# KiCad board first_keyboard.kicad_pcb (continued)
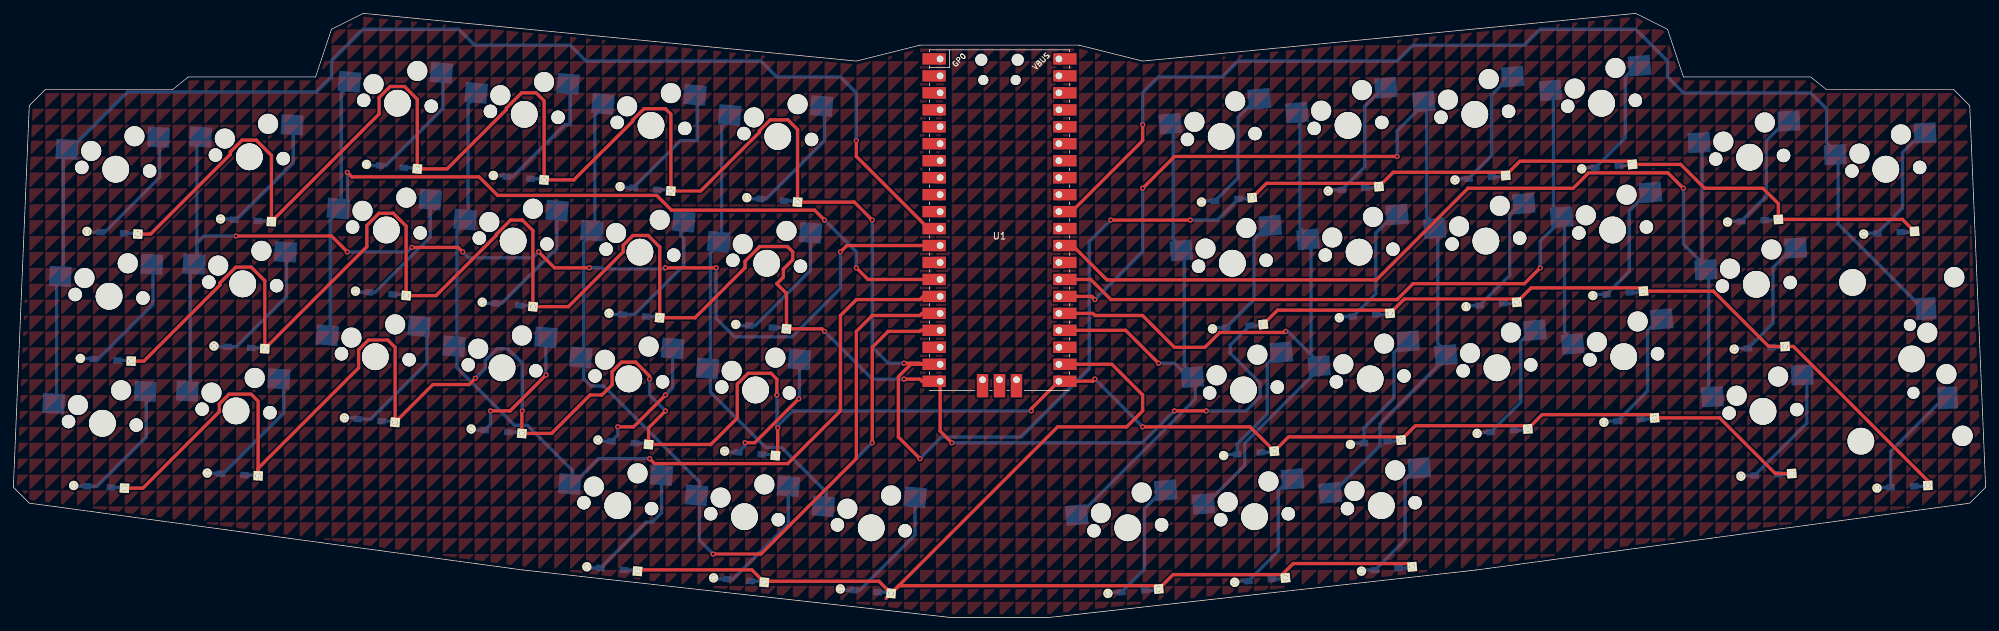
[diagram p0: board, top side]
## Copper pours and planes (outline as drawn; the poured copper is in the pictures) (continued)
(no net) on Top, Bottom: 95.25,45.24 95.25,42.86 97.63,45.24
(no net) on Top, Bottom: 219.07,-7.14 219.07,-9.53 221.46,-7.14
(no net) on Top, Bottom: 183.36,123.83 183.36,121.44 185.74,123.83
(no net) on Top, Bottom: 211.93,140.49 211.93,138.11 214.31,140.49
(no net) on Top, Bottom: 38.1,-23.81 38.1,-26.19 40.48,-23.81
(no net) on Top, Bottom: 66.67,85.72 66.67,83.34 69.06,85.72
(no net) on Top, Bottom: 123.83,42.86 123.83,40.48 126.21,42.86
(no net) on Top, Bottom: 111.92,126.21 111.92,123.83 114.3,126.21
(no net) on Top, Bottom: 59.53,64.29 59.53,61.91 61.91,64.29
(no net) on Top, Bottom: 102.39,107.16 102.39,104.78 104.77,107.16
(no net) on Top, Bottom: 219.07,38.1 219.07,35.72 221.46,38.1
(no net) on Top, Bottom: 190.5,88.11 190.5,85.72 192.88,88.11
(no net) on Top, Bottom: 61.91,-30.96 61.91,-33.34 64.29,-30.96
(no net) on Top, Bottom: 80.96,97.63 80.96,95.25 83.34,97.63
(no net) on Top, Bottom: 252.41,97.63 252.41,95.25 254.79,97.63
(no net) on Top, Bottom: 28.58,11.91 28.58,9.53 30.96,11.91
(no net) on Top, Bottom: 240.51,16.67 240.51,14.29 242.89,16.67
(no net) on Top, Bottom: 271.46,133.35 271.46,130.97 273.84,133.35
(no net) on Top, Bottom: 111.92,64.29 111.92,61.91 114.3,64.29
(no net) on Top, Bottom: 121.44,59.53 121.44,57.15 123.83,59.53
(no net) on Top, Bottom: 233.36,-23.81 233.36,-26.19 235.74,-23.81
(no net) on Top, Bottom: 304.8,130.97 304.8,128.59 307.18,130.97
(no net) on Top, Bottom: 197.64,71.44 197.64,69.06 200.02,71.44
(no net) on Top, Bottom: 154.78,21.43 154.78,19.05 157.16,21.43
(no net) on Top, Bottom: 209.55,19.05 209.55,16.67 211.93,19.05
(no net) on Top, Bottom: 64.29,104.78 64.29,102.39 66.67,104.78
(no net) on Top, Bottom: 71.44,9.53 71.44,7.14 73.82,9.53
(no net) on Top, Bottom: 240.51,142.88 240.51,140.49 242.89,142.88
(no net) on Top, Bottom: 245.27,4.76 245.27,2.38 247.65,4.76
(no net) on Top, Bottom: 176.21,76.2 176.21,73.82 178.59,76.2
(no net) on Top, Bottom: 133.35,64.29 133.35,61.91 135.73,64.29
(no net) on Top, Bottom: 230.98,26.19 230.98,23.81 233.36,26.19
(no net) on Top, Bottom: 273.84,119.06 273.84,116.68 276.22,119.06
(no net) on Top, Bottom: 173.83,-9.53 173.83,-11.91 176.21,-9.53
(no net) on Top, Bottom: 83.34,50.01 83.34,47.62 85.73,50.01
(no net) on Top, Bottom: 207.17,-2.38 207.17,-4.76 209.55,-2.38
(no net) on Top, Bottom: 71.44,80.96 71.44,78.58 73.82,80.96
(no net) on Top, Bottom: 95.25,71.44 95.25,69.06 97.63,71.44
(no net) on Top, Bottom: 19.05,-16.67 19.05,-19.05 21.43,-16.67
(no net) on Top, Bottom: 188.12,69.06 188.12,66.68 190.5,69.06
(no net) on Top, Bottom: 290.51,7.14 290.51,4.76 292.89,7.14
(no net) on Top, Bottom: 226.22,26.19 226.22,23.81 228.6,26.19
(no net) on Top, Bottom: 216.69,104.78 216.69,102.39 219.07,104.78
(no net) on Top, Bottom: 302.42,130.97 302.42,128.59 304.8,130.97
(no net) on Top, Bottom: 97.63,145.26 97.63,142.88 100.01,145.26
(no net) on Top, Bottom: 230.98,140.49 230.98,138.11 233.36,140.49
(no net) on Top, Bottom: 140.49,147.64 140.49,145.26 142.88,147.64
(no net) on Top, Bottom: 71.44,76.2 71.44,73.82 73.82,76.2
(no net) on Top, Bottom: 107.16,123.83 107.16,121.44 109.54,123.83
(no net) on Top, Bottom: 247.65,85.72 247.65,83.34 250.03,85.72
(no net) on Top, Bottom: 176.21,28.57 176.21,26.19 178.59,28.57
(no net) on Top, Bottom: 300.04,-16.67 300.04,-19.05 302.42,-16.67
(no net) on Top, Bottom: 126.21,126.21 126.21,123.83 128.59,126.21
(no net) on Top, Bottom: 211.93,21.43 211.93,19.05 214.31,21.43
(no net) on Top, Bottom: 190.5,47.62 190.5,45.24 192.88,47.62
(no net) on Top, Bottom: 80.96,90.49 80.96,88.11 83.34,90.49
(no net) on Top, Bottom: 142.88,88.11 142.88,85.72 145.26,88.11
(no net) on Top, Bottom: 73.82,73.82 73.82,71.44 76.2,73.82
(no net) on Top, Bottom: 173.83,2.38 173.83,0 176.21,2.38
(no net) on Top, Bottom: 257.18,-16.67 257.18,-19.05 259.56,-16.67
(no net) on Top, Bottom: 226.22,92.87 226.22,90.49 228.6,92.87
(no net) on Top, Bottom: 102.39,-19.05 102.39,-21.43 104.77,-19.05
(no net) on Top, Bottom: 300.04,50.01 300.04,47.62 302.42,50.01
(no net) on Top, Bottom: 216.69,97.63 216.69,95.25 219.07,97.63
(no net) on Top, Bottom: 183.36,-19.05 183.36,-21.43 185.74,-19.05
(no net) on Top, Bottom: 128.59,85.72 128.59,83.34 130.97,85.72
(no net) on Top, Bottom: 183.36,-33.34 183.36,-35.72 185.74,-33.34
(no net) on Top, Bottom: 21.43,-30.96 21.43,-33.34 23.81,-30.96
(no net) on Top, Bottom: 71.44,95.25 71.44,92.87 73.82,95.25
(no net) on Top, Bottom: 188.12,76.2 188.12,73.82 190.5,76.2
(no net) on Top, Bottom: 16.67,90.49 16.67,88.11 19.05,90.49
(no net) on Top, Bottom: 147.64,-23.81 147.64,-26.19 150.02,-23.81
(no net) on Top, Bottom: 50.01,-2.38 50.01,-4.76 52.39,-2.38
(no net) on Top, Bottom: 242.89,147.64 242.89,145.26 245.27,147.64
(no net) on Top, Bottom: 300.04,11.91 300.04,9.53 302.42,11.91
(no net) on Top, Bottom: 104.77,64.29 104.77,61.91 107.16,64.29
(no net) on Top, Bottom: 47.62,52.39 47.62,50.01 50.01,52.39
(no net) on Top, Bottom: 171.45,45.24 171.45,42.86 173.83,45.24
(no net) on Top, Bottom: 166.69,100.01 166.69,97.63 169.07,100.01
(no net) on Top, Bottom: 169.07,-11.91 169.07,-14.29 171.45,-11.91
(no net) on Top, Bottom: 78.58,47.62 78.58,45.24 80.96,47.62
(no net) on Top, Bottom: 88.11,33.34 88.11,30.96 90.49,33.34
(no net) on Top, Bottom: 250.03,57.15 250.03,54.77 252.41,57.15
(no net) on Top, Bottom: 214.31,80.96 214.31,78.58 216.69,80.96
(no net) on Top, Bottom: 278.61,145.26 278.61,142.88 280.99,145.26
(no net) on Top, Bottom: 40.48,57.15 40.48,54.77 42.86,57.15
(no net) on Top, Bottom: 302.42,142.88 302.42,140.49 304.8,142.88
(no net) on Top, Bottom: 111.92,35.72 111.92,33.34 114.3,35.72
(no net) on Top, Bottom: 247.65,150.02 247.65,147.64 250.03,150.02
(no net) on Top, Bottom: 207.17,142.88 207.17,140.49 209.55,142.88
(no net) on Top, Bottom: 23.81,-7.14 23.81,-9.53 26.19,-7.14
(no net) on Top, Bottom: 145.26,88.11 145.26,85.72 147.64,88.11
(no net) on Top, Bottom: 228.6,90.49 228.6,88.11 230.98,90.49
(no net) on Top, Bottom: 178.59,-9.53 178.59,-11.91 180.98,-9.53
(no net) on Top, Bottom: 28.58,35.72 28.58,33.34 30.96,35.72
(no net) on Top, Bottom: 180.98,-9.53 180.98,-11.91 183.36,-9.53
(no net) on Top, Bottom: 130.97,104.78 130.97,102.39 133.35,104.78
(no net) on Top, Bottom: 283.37,130.97 283.37,128.59 285.75,130.97
(no net) on Top, Bottom: 292.89,-21.43 292.89,-23.81 295.27,-21.43
(no net) on Top, Bottom: 95.25,104.78 95.25,102.39 97.63,104.78
(no net) on Top, Bottom: 104.77,21.43 104.77,19.05 107.16,21.43
(no net) on Top, Bottom: 142.88,97.63 142.88,95.25 145.26,97.63
(no net) on Top, Bottom: 50.01,-14.29 50.01,-16.67 52.39,-14.29
(no net) on Top, Bottom: 200.02,95.25 200.02,92.87 202.41,95.25
(no net) on Top, Bottom: 197.64,64.29 197.64,61.91 200.02,64.29
(no net) on Top, Bottom: 114.3,59.53 114.3,57.15 116.68,59.53
(no net) on Top, Bottom: 180.98,-35.72 180.98,-38.1 183.36,-35.72
(no net) on Top, Bottom: 257.18,109.54 257.18,107.16 259.56,109.54
(no net) on Top, Bottom: 288.13,100.01 288.13,97.63 290.51,100.01
(no net) on Top, Bottom: 223.84,-7.14 223.84,-9.53 226.22,-7.14
(no net) on Top, Bottom: 83.34,14.29 83.34,11.91 85.73,14.29
(no net) on Top, Bottom: 211.93,30.96 211.93,28.57 214.31,30.96
(no net) on Top, Bottom: 80.96,30.96 80.96,28.57 83.34,30.96
(no net) on Top, Bottom: 35.72,85.72 35.72,83.34 38.1,85.72
(no net) on Top, Bottom: 26.19,4.76 26.19,2.38 28.58,4.76
(no net) on Top, Bottom: 154.78,97.63 154.78,95.25 157.16,97.63
(no net) on Top, Bottom: 30.96,33.34 30.96,30.96 33.34,33.34
(no net) on Top, Bottom: 16.67,-14.29 16.67,-16.67 19.05,-14.29
(no net) on Top, Bottom: 116.68,-38.1 116.68,-40.48 119.06,-38.1
(no net) on Top, Bottom: 47.62,138.11 47.62,135.73 50.01,138.11
(no net) on Top, Bottom: 92.87,104.78 92.87,102.39 95.25,104.78
(no net) on Top, Bottom: 211.93,-19.05 211.93,-21.43 214.31,-19.05
(no net) on Top, Bottom: 30.96,57.15 30.96,54.77 33.34,57.15
(no net) on Top, Bottom: 221.46,83.34 221.46,80.96 223.84,83.34
(no net) on Top, Bottom: 188.12,33.34 188.12,30.96 190.5,33.34
(no net) on Top, Bottom: 66.67,23.81 66.67,21.43 69.06,23.81
(no net) on Top, Bottom: 111.92,33.34 111.92,30.96 114.3,33.34
(no net) on Top, Bottom: 92.87,142.88 92.87,140.49 95.25,142.88
(no net) on Top, Bottom: 195.26,57.15 195.26,54.77 197.64,57.15
(no net) on Top, Bottom: 228.6,57.15 228.6,54.77 230.98,57.15
(no net) on Top, Bottom: 228.6,14.29 228.6,11.91 230.98,14.29
(no net) on Top, Bottom: 92.87,71.44 92.87,69.06 95.25,71.44
(no net) on Top, Bottom: 83.34,64.29 83.34,61.91 85.73,64.29
(no net) on Top, Bottom: 292.89,102.39 292.89,100.01 295.27,102.39
(no net) on Top, Bottom: 300.04,9.53 300.04,7.14 302.42,9.53
(no net) on Top, Bottom: 176.21,97.63 176.21,95.25 178.59,97.63
(no net) on Top, Bottom: 219.07,-19.05 219.07,-21.43 221.46,-19.05
(no net) on Top, Bottom: 176.21,26.19 176.21,23.81 178.59,26.19
(no net) on Top, Bottom: 42.86,-14.29 42.86,-16.67 45.24,-14.29
(no net) on Top, Bottom: 200.02,73.82 200.02,71.44 202.41,73.82
(no net) on Top, Bottom: 164.31,133.35 164.31,130.97 166.69,133.35
(no net) on Top, Bottom: 69.06,126.21 69.06,123.83 71.44,126.21
(no net) on Top, Bottom: 169.07,145.26 169.07,142.88 171.45,145.26
(no net) on Top, Bottom: 188.12,54.77 188.12,52.39 190.5,54.77
(no net) on Top, Bottom: 278.61,-16.67 278.61,-19.05 280.99,-16.67
(no net) on Top, Bottom: 228.6,95.25 228.6,92.87 230.98,95.25
(no net) on Top, Bottom: 140.49,111.92 140.49,109.54 142.88,111.92
(no net) on Top, Bottom: 88.11,76.2 88.11,73.82 90.49,76.2
(no net) on Top, Bottom: 252.41,23.81 252.41,21.43 254.79,23.81
(no net) on Top, Bottom: 171.45,145.26 171.45,142.88 173.83,145.26
(no net) on Top, Bottom: 228.6,-11.91 228.6,-14.29 230.98,-11.91
(no net) on Top, Bottom: 28.58,-7.14 28.58,-9.53 30.96,-7.14
(no net) on Top, Bottom: 302.42,114.3 302.42,111.92 304.8,114.3
(no net) on Top, Bottom: 280.99,-23.81 280.99,-26.19 283.37,-23.81
(no net) on Top, Bottom: 273.84,-2.38 273.84,-4.76 276.22,-2.38
(no net) on Top, Bottom: 214.31,88.11 214.31,85.72 216.69,88.11
(no net) on Top, Bottom: 52.39,85.72 52.39,83.34 54.77,85.72
(no net) on Top, Bottom: 259.56,73.82 259.56,71.44 261.94,73.82
(no net) on Top, Bottom: 252.41,133.35 252.41,130.97 254.79,133.35
(no net) on Top, Bottom: 102.39,45.24 102.39,42.86 104.77,45.24
(no net) on Top, Bottom: 173.83,28.57 173.83,26.19 176.21,28.57
(no net) on Top, Bottom: 185.74,-4.76 185.74,-7.14 188.12,-4.76
(no net) on Top, Bottom: 252.41,57.15 252.41,54.77 254.79,57.15
(no net) on Top, Bottom: 250.03,-21.43 250.03,-23.81 252.41,-21.43
(no net) on Top, Bottom: 114.3,-9.53 114.3,-11.91 116.68,-9.53
(no net) on Top, Bottom: 264.32,16.67 264.32,14.29 266.7,16.67
(no net) on Top, Bottom: 276.22,109.54 276.22,107.16 278.61,109.54
(no net) on Top, Bottom: 28.58,7.14 28.58,4.76 30.96,7.14
(no net) on Top, Bottom: 185.74,45.24 185.74,42.86 188.12,45.24
(no net) on Top, Bottom: 228.6,11.91 228.6,9.53 230.98,11.91
(no net) on Top, Bottom: 66.67,80.96 66.67,78.58 69.06,80.96
(no net) on Top, Bottom: 92.87,-23.81 92.87,-26.19 95.25,-23.81
(no net) on Top, Bottom: 95.25,-16.67 95.25,-19.05 97.63,-16.67
(no net) on Top, Bottom: 126.21,64.29 126.21,61.91 128.59,64.29
(no net) on Top, Bottom: 78.58,123.83 78.58,121.44 80.96,123.83
(no net) on Top, Bottom: 188.12,2.38 188.12,0 190.5,2.38
(no net) on Top, Bottom: 173.83,121.44 173.83,119.06 176.21,121.44
(no net) on Top, Bottom: 21.43,35.72 21.43,33.34 23.81,35.72
(no net) on Top, Bottom: 97.63,-2.38 97.63,-4.76 100.01,-2.38
(no net) on Top, Bottom: 192.88,73.82 192.88,71.44 195.26,73.82
(no net) on Top, Bottom: 28.58,80.96 28.58,78.58 30.96,80.96
(no net) on Top, Bottom: 64.29,133.35 64.29,130.97 66.67,133.35
(no net) on Top, Bottom: 285.75,100.01 285.75,97.63 288.13,100.01
(no net) on Top, Bottom: 164.31,-35.72 164.31,-38.1 166.69,-35.72
(no net) on Top, Bottom: 4.76,-21.43 4.76,-23.81 7.14,-21.43
(no net) on Top, Bottom: 178.59,-4.76 178.59,-7.14 180.98,-4.76
(no net) on Top, Bottom: 238.12,107.16 238.12,104.78 240.51,107.16
(no net) on Top, Bottom: 188.12,95.25 188.12,92.87 190.5,95.25
(no net) on Top, Bottom: 295.27,109.54 295.27,107.16 297.66,109.54
(no net) on Top, Bottom: 80.96,114.3 80.96,111.92 83.34,114.3
(no net) on Top, Bottom: 59.53,71.44 59.53,69.06 61.91,71.44
(no net) on Top, Bottom: 280.99,135.73 280.99,133.35 283.37,135.73
(no net) on Top, Bottom: 154.78,42.86 154.78,40.48 157.16,42.86
(no net) on Top, Bottom: 278.61,69.06 278.61,66.68 280.99,69.06
(no net) on Top, Bottom: 80.96,-26.19 80.96,-28.57 83.34,-26.19
(no net) on Top, Bottom: 283.37,7.14 283.37,4.76 285.75,7.14
(no net) on Top, Bottom: 26.19,0 26.19,-2.38 28.58,0
(no net) on Top, Bottom: 16.67,104.78 16.67,102.39 19.05,104.78
(no net) on Top, Bottom: 221.46,-38.1 221.46,-40.48 223.84,-38.1
(no net) on Top, Bottom: 302.42,111.92 302.42,109.54 304.8,111.92
(no net) on Top, Bottom: 147.64,0 147.64,-2.38 150.02,0
(no net) on Top, Bottom: 23.81,95.25 23.81,92.87 26.19,95.25
(no net) on Top, Bottom: 230.98,23.81 230.98,21.43 233.36,23.81
(no net) on Top, Bottom: 204.79,121.44 204.79,119.06 207.17,121.44
(no net) on Top, Bottom: 269.08,142.88 269.08,140.49 271.46,142.88
(no net) on Top, Bottom: 45.24,-14.29 45.24,-16.67 47.62,-14.29
(no net) on Top, Bottom: 247.65,-11.91 247.65,-14.29 250.03,-11.91
(no net) on Top, Bottom: 285.75,104.78 285.75,102.39 288.13,104.78
(no net) on Top, Bottom: 257.18,83.34 257.18,80.96 259.56,83.34
(no net) on Top, Bottom: 95.25,138.11 95.25,135.73 97.63,138.11
(no net) on Top, Bottom: 259.56,88.11 259.56,85.72 261.94,88.11
(no net) on Top, Bottom: 111.92,66.68 111.92,64.29 114.3,66.68
(no net) on Top, Bottom: 19.05,11.91 19.05,9.53 21.43,11.91
(no net) on Top, Bottom: 95.25,9.53 95.25,7.14 97.63,9.53
(no net) on Top, Bottom: 164.31,95.25 164.31,92.87 166.69,95.25
(no net) on Top, Bottom: 211.93,-7.14 211.93,-9.53 214.31,-7.14
(no net) on Top, Bottom: 42.86,138.11 42.86,135.73 45.24,138.11
(no net) on Top, Bottom: 147.64,28.57 147.64,26.19 150.02,28.57
(no net) on Top, Bottom: 195.26,-21.43 195.26,-23.81 197.64,-21.43
(no net) on Top, Bottom: 254.79,92.87 254.79,90.49 257.18,92.87
(no net) on Top, Bottom: 300.04,40.48 300.04,38.1 302.42,40.48
(no net) on Top, Bottom: 185.74,40.48 185.74,38.1 188.12,40.48
(no net) on Top, Bottom: 200.02,92.87 200.02,90.49 202.41,92.87
(no net) on Top, Bottom: 130.97,57.15 130.97,54.77 133.35,57.15
(no net) on Top, Bottom: 276.22,-21.43 276.22,-23.81 278.61,-21.43
(no net) on Top, Bottom: 304.8,-7.14 304.8,-9.53 307.18,-7.14
(no net) on Top, Bottom: 142.88,73.82 142.88,71.44 145.26,73.82
(no net) on Top, Bottom: 128.59,90.49 128.59,88.11 130.97,90.49
(no net) on Top, Bottom: 164.31,28.57 164.31,26.19 166.69,28.57
(no net) on Top, Bottom: 19.05,28.57 19.05,26.19 21.43,28.57
(no net) on Top, Bottom: 35.72,71.44 35.72,69.06 38.1,71.44
(no net) on Top, Bottom: 30.96,83.34 30.96,80.96 33.34,83.34
(no net) on Top, Bottom: 47.62,59.53 47.62,57.15 50.01,59.53
(no net) on Top, Bottom: 228.6,47.62 228.6,45.24 230.98,47.62
(no net) on Top, Bottom: 209.55,114.3 209.55,111.92 211.93,114.3
(no net) on Top, Bottom: 69.06,-21.43 69.06,-23.81 71.44,-21.43
(no net) on Top, Bottom: 228.6,78.58 228.6,76.2 230.98,78.58
(no net) on Top, Bottom: 254.79,45.24 254.79,42.86 257.18,45.24
(no net) on Top, Bottom: 30.96,47.62 30.96,45.24 33.34,47.62
(no net) on Top, Bottom: 223.84,128.59 223.84,126.21 226.22,128.59
(no net) on Top, Bottom: 130.97,76.2 130.97,73.82 133.35,76.2
(no net) on Top, Bottom: 138.11,107.16 138.11,104.78 140.49,107.16
(no net) on Top, Bottom: 54.77,16.67 54.77,14.29 57.15,16.67
(no net) on Top, Bottom: 111.92,107.16 111.92,104.78 114.3,107.16
(no net) on Top, Bottom: 161.93,4.76 161.93,2.38 164.31,4.76
(no net) on Top, Bottom: 147.64,92.87 147.64,90.49 150.02,92.87
(no net) on Top, Bottom: 154.78,111.92 154.78,109.54 157.16,111.92
(no net) on Top, Bottom: 302.42,-4.76 302.42,-7.14 304.8,-4.76
(no net) on Top, Bottom: 73.82,30.96 73.82,28.57 76.2,30.96
(no net) on Top, Bottom: 228.6,138.11 228.6,135.73 230.98,138.11
(no net) on Top, Bottom: 100.01,-23.81 100.01,-26.19 102.39,-23.81
(no net) on Top, Bottom: 250.03,59.53 250.03,57.15 252.41,59.53
(no net) on Top, Bottom: 254.79,-19.05 254.79,-21.43 257.18,-19.05
(no net) on Top, Bottom: 35.72,57.15 35.72,54.77 38.1,57.15
(no net) on Top, Bottom: 257.18,138.11 257.18,135.73 259.56,138.11
(no net) on Top, Bottom: 161.93,-38.1 161.93,-40.48 164.31,-38.1
(no net) on Top, Bottom: 109.54,64.29 109.54,61.91 111.92,64.29
(no net) on Top, Bottom: 85.73,-19.05 85.73,-21.43 88.11,-19.05
(no net) on Top, Bottom: 116.68,-35.72 116.68,-38.1 119.06,-35.72
(no net) on Top, Bottom: 240.51,54.77 240.51,52.39 242.89,54.77
(no net) on Top, Bottom: 302.42,-38.1 302.42,-40.48 304.8,-38.1
(no net) on Top, Bottom: 264.32,35.72 264.32,33.34 266.7,35.72
(no net) on Top, Bottom: 0,-30.96 0,-33.34 2.38,-30.96
(no net) on Top, Bottom: 216.69,76.2 216.69,73.82 219.07,76.2
(no net) on Top, Bottom: 80.96,-38.1 80.96,-40.48 83.34,-38.1
(no net) on Top, Bottom: 230.98,128.59 230.98,126.21 233.36,128.59
(no net) on Top, Bottom: 304.8,92.87 304.8,90.49 307.18,92.87
(no net) on Top, Bottom: 180.98,-28.57 180.98,-30.96 183.36,-28.57
(no net) on Top, Bottom: 180.98,145.26 180.98,142.88 183.36,145.26
(no net) on Top, Bottom: 97.63,104.78 97.63,102.39 100.01,104.78
(no net) on Top, Bottom: 183.36,116.68 183.36,114.3 185.74,116.68
(no net) on Top, Bottom: 290.51,133.35 290.51,130.97 292.89,133.35
(no net) on Top, Bottom: 38.1,109.54 38.1,107.16 40.48,109.54
(no net) on Top, Bottom: 188.12,109.54 188.12,107.16 190.5,109.54
(no net) on Top, Bottom: 100.01,50.01 100.01,47.62 102.39,50.01
(no net) on Top, Bottom: 61.91,-38.1 61.91,-40.48 64.29,-38.1
(no net) on Top, Bottom: 273.84,16.67 273.84,14.29 276.22,16.67
(no net) on Top, Bottom: 121.44,35.72 121.44,33.34 123.83,35.72
(no net) on Top, Bottom: 119.06,14.29 119.06,11.91 121.44,14.29
(no net) on Top, Bottom: 216.69,33.34 216.69,30.96 219.07,33.34
(no net) on Top, Bottom: 126.21,83.34 126.21,80.96 128.59,83.34
(no net) on Top, Bottom: 240.51,71.44 240.51,69.06 242.89,71.44
(no net) on Top, Bottom: 59.53,142.88 59.53,140.49 61.91,142.88
(no net) on Top, Bottom: 40.48,97.63 40.48,95.25 42.86,97.63
(no net) on Top, Bottom: 226.22,-21.43 226.22,-23.81 228.6,-21.43
(no net) on Top, Bottom: 88.11,21.43 88.11,19.05 90.49,21.43
(no net) on Top, Bottom: 73.82,104.78 73.82,102.39 76.2,104.78
(no net) on Top, Bottom: 252.41,-2.38 252.41,-4.76 254.79,-2.38
(no net) on Top, Bottom: 150.02,28.57 150.02,26.19 152.4,28.57
(no net) on Top, Bottom: 142.88,147.64 142.88,145.26 145.26,147.64
(no net) on Top, Bottom: 221.46,78.58 221.46,76.2 223.84,78.58
(no net) on Top, Bottom: 195.26,78.58 195.26,76.2 197.64,78.58
(no net) on Top, Bottom: 33.34,130.97 33.34,128.59 35.72,130.97
(no net) on Top, Bottom: 295.27,147.64 295.27,145.26 297.66,147.64
(no net) on Top, Bottom: 100.01,-28.57 100.01,-30.96 102.39,-28.57
(no net) on Top, Bottom: 245.27,-33.34 245.27,-35.72 247.65,-33.34
(no net) on Top, Bottom: 216.69,0 216.69,-2.38 219.07,0
(no net) on Top, Bottom: 221.46,135.73 221.46,133.35 223.84,135.73
(no net) on Top, Bottom: 290.51,95.25 290.51,92.87 292.89,95.25
(no net) on Top, Bottom: 83.34,142.88 83.34,140.49 85.73,142.88
(no net) on Top, Bottom: 47.62,-23.81 47.62,-26.19 50.01,-23.81
(no net) on Top, Bottom: 238.12,130.97 238.12,128.59 240.51,130.97
(no net) on Top, Bottom: 104.77,47.62 104.77,45.24 107.16,47.62
(no net) on Top, Bottom: 247.65,-7.14 247.65,-9.53 250.03,-7.14
(no net) on Top, Bottom: 240.51,-9.53 240.51,-11.91 242.89,-9.53
(no net) on Top, Bottom: 150.02,42.86 150.02,40.48 152.4,42.86
(no net) on Top, Bottom: 233.36,45.24 233.36,42.86 235.74,45.24
(no net) on Top, Bottom: 254.79,57.15 254.79,54.77 257.18,57.15
(no net) on Top, Bottom: 145.26,111.92 145.26,109.54 147.64,111.92
(no net) on Top, Bottom: 0,-9.53 0,-11.91 2.38,-9.53
(no net) on Top, Bottom: 304.8,61.91 304.8,59.53 307.18,61.91
(no net) on Top, Bottom: 176.21,83.34 176.21,80.96 178.59,83.34
(no net) on Top, Bottom: 30.96,-14.29 30.96,-16.67 33.34,-14.29
(no net) on Top, Bottom: 154.78,0 154.78,-2.38 157.16,0
(no net) on Top, Bottom: 300.04,150.02 300.04,147.64 302.42,150.02
(no net) on Top, Bottom: 97.63,95.25 97.63,92.87 100.01,95.25
(no net) on Top, Bottom: 252.41,123.83 252.41,121.44 254.79,123.83
(no net) on Top, Bottom: 123.83,73.82 123.83,71.44 126.21,73.82
(no net) on Top, Bottom: 28.58,85.72 28.58,83.34 30.96,85.72
(no net) on Top, Bottom: 235.74,-14.29 235.74,-16.67 238.12,-14.29
(no net) on Top, Bottom: 97.63,100.01 97.63,97.63 100.01,100.01
(no net) on Top, Bottom: 150.02,2.38 150.02,0 152.4,2.38
(no net) on Top, Bottom: 26.19,119.06 26.19,116.68 28.58,119.06
(no net) on Top, Bottom: 104.77,4.76 104.77,2.38 107.16,4.76
(no net) on Top, Bottom: 252.41,33.34 252.41,30.96 254.79,33.34
(no net) on Top, Bottom: 261.94,95.25 261.94,92.87 264.32,95.25
(no net) on Top, Bottom: 159.54,116.68 159.54,114.3 161.93,116.68
(no net) on Top, Bottom: 66.67,4.76 66.67,2.38 69.06,4.76
(no net) on Top, Bottom: 64.29,66.68 64.29,64.29 66.67,66.68
(no net) on Top, Bottom: 176.21,80.96 176.21,78.58 178.59,80.96
(no net) on Top, Bottom: 97.63,69.06 97.63,66.68 100.01,69.06
(no net) on Top, Bottom: 276.22,142.88 276.22,140.49 278.61,142.88
(no net) on Top, Bottom: 66.67,-21.43 66.67,-23.81 69.06,-21.43
(no net) on Top, Bottom: 173.83,-19.05 173.83,-21.43 176.21,-19.05
(no net) on Top, Bottom: 159.54,45.24 159.54,42.86 161.93,45.24
(no net) on Top, Bottom: 166.69,135.73 166.69,133.35 169.07,135.73
(no net) on Top, Bottom: 109.54,28.57 109.54,26.19 111.92,28.57
(no net) on Top, Bottom: 64.29,140.49 64.29,138.11 66.67,140.49
(no net) on Top, Bottom: 88.11,47.62 88.11,45.24 90.49,47.62
(no net) on Top, Bottom: 33.34,33.34 33.34,30.96 35.72,33.34
(no net) on Top, Bottom: 261.94,92.87 261.94,90.49 264.32,92.87
(no net) on Top, Bottom: 88.11,66.68 88.11,64.29 90.49,66.68
(no net) on Top, Bottom: 61.91,123.83 61.91,121.44 64.29,123.83
(no net) on Top, Bottom: 116.68,61.91 116.68,59.53 119.06,61.91
(no net) on Top, Bottom: 190.5,-28.57 190.5,-30.96 192.88,-28.57
(no net) on Top, Bottom: 97.63,114.3 97.63,111.92 100.01,114.3
(no net) on Top, Bottom: 30.96,-35.72 30.96,-38.1 33.34,-35.72
(no net) on Top, Bottom: 228.6,-35.72 228.6,-38.1 230.98,-35.72
(no net) on Top, Bottom: 269.08,73.82 269.08,71.44 271.46,73.82
(no net) on Top, Bottom: 102.39,78.58 102.39,76.2 104.77,78.58
(no net) on Top, Bottom: 180.98,59.53 180.98,57.15 183.36,59.53
(no net) on Top, Bottom: 264.32,95.25 264.32,92.87 266.7,95.25
(no net) on Top, Bottom: 133.35,138.11 133.35,135.73 135.73,138.11
(no net) on Top, Bottom: 92.87,95.25 92.87,92.87 95.25,95.25
(no net) on Top, Bottom: 197.64,16.67 197.64,14.29 200.02,16.67
(no net) on Top, Bottom: 269.08,0 269.08,-2.38 271.46,0
(no net) on Top, Bottom: 221.46,76.2 221.46,73.82 223.84,76.2
(no net) on Top, Bottom: 297.66,138.11 297.66,135.73 300.04,138.11
(no net) on Top, Bottom: 159.54,59.53 159.54,57.15 161.93,59.53
(no net) on Top, Bottom: 40.48,121.44 40.48,119.06 42.86,121.44
(no net) on Top, Bottom: 121.44,121.44 121.44,119.06 123.83,121.44
(no net) on Top, Bottom: 142.88,119.06 142.88,116.68 145.26,119.06
(no net) on Top, Bottom: 76.2,78.58 76.2,76.2 78.58,78.58
(no net) on Top, Bottom: 40.48,76.2 40.48,73.82 42.86,76.2
(no net) on Top, Bottom: 90.49,126.21 90.49,123.83 92.87,126.21
(no net) on Top, Bottom: 57.15,145.26 57.15,142.88 59.53,145.26
(no net) on Top, Bottom: 280.99,133.35 280.99,130.97 283.37,133.35
(no net) on Top, Bottom: 202.41,23.81 202.41,21.43 204.79,23.81
(no net) on Top, Bottom: 159.54,-23.81 159.54,-26.19 161.93,-23.81
(no net) on Top, Bottom: 21.43,69.06 21.43,66.68 23.81,69.06
(no net) on Top, Bottom: 290.51,-14.29 290.51,-16.67 292.89,-14.29
(no net) on Top, Bottom: 266.7,123.83 266.7,121.44 269.08,123.83
(no net) on Top, Bottom: 33.34,59.53 33.34,57.15 35.72,59.53
(no net) on Top, Bottom: 164.31,19.05 164.31,16.67 166.69,19.05
(no net) on Top, Bottom: 90.49,-35.72 90.49,-38.1 92.87,-35.72
(no net) on Top, Bottom: 69.06,-14.29 69.06,-16.67 71.44,-14.29
(no net) on Top, Bottom: 140.49,30.96 140.49,28.57 142.88,30.96
(no net) on Top, Bottom: 261.94,54.77 261.94,52.39 264.32,54.77
(no net) on Top, Bottom: 288.13,50.01 288.13,47.62 290.51,50.01
(no net) on Top, Bottom: 259.56,47.62 259.56,45.24 261.94,47.62
(no net) on Top, Bottom: 254.79,-9.53 254.79,-11.91 257.18,-9.53
(no net) on Top, Bottom: 16.67,-4.76 16.67,-7.14 19.05,-4.76
(no net) on Top, Bottom: 83.34,140.49 83.34,138.11 85.73,140.49
(no net) on Top, Bottom: 271.46,116.68 271.46,114.3 273.84,116.68
(no net) on Top, Bottom: 150.02,9.53 150.02,7.14 152.4,9.53
(no net) on Top, Bottom: 85.73,116.68 85.73,114.3 88.11,116.68
(no net) on Top, Bottom: 147.64,109.54 147.64,107.16 150.02,109.54
(no net) on Top, Bottom: 195.26,-7.14 195.26,-9.53 197.64,-7.14
(no net) on Top, Bottom: 259.56,54.77 259.56,52.39 261.94,54.77
(no net) on Top, Bottom: 240.51,26.19 240.51,23.81 242.89,26.19
(no net) on Top, Bottom: 276.22,135.73 276.22,133.35 278.61,135.73
(no net) on Top, Bottom: 123.83,-30.96 123.83,-33.34 126.21,-30.96
